# Altium PCB Mother_and_Asserv.PcbDoc (part 1 of 2)
Units mil, origin at the board's own origin, x right, y up, seen from the top; angles counter-clockwise.
Board outline 7572 x 3149 mil, 2 copper layers (Top Layer, Bottom Layer); 179 components, 0 nets, 687 pads, 93 vias.
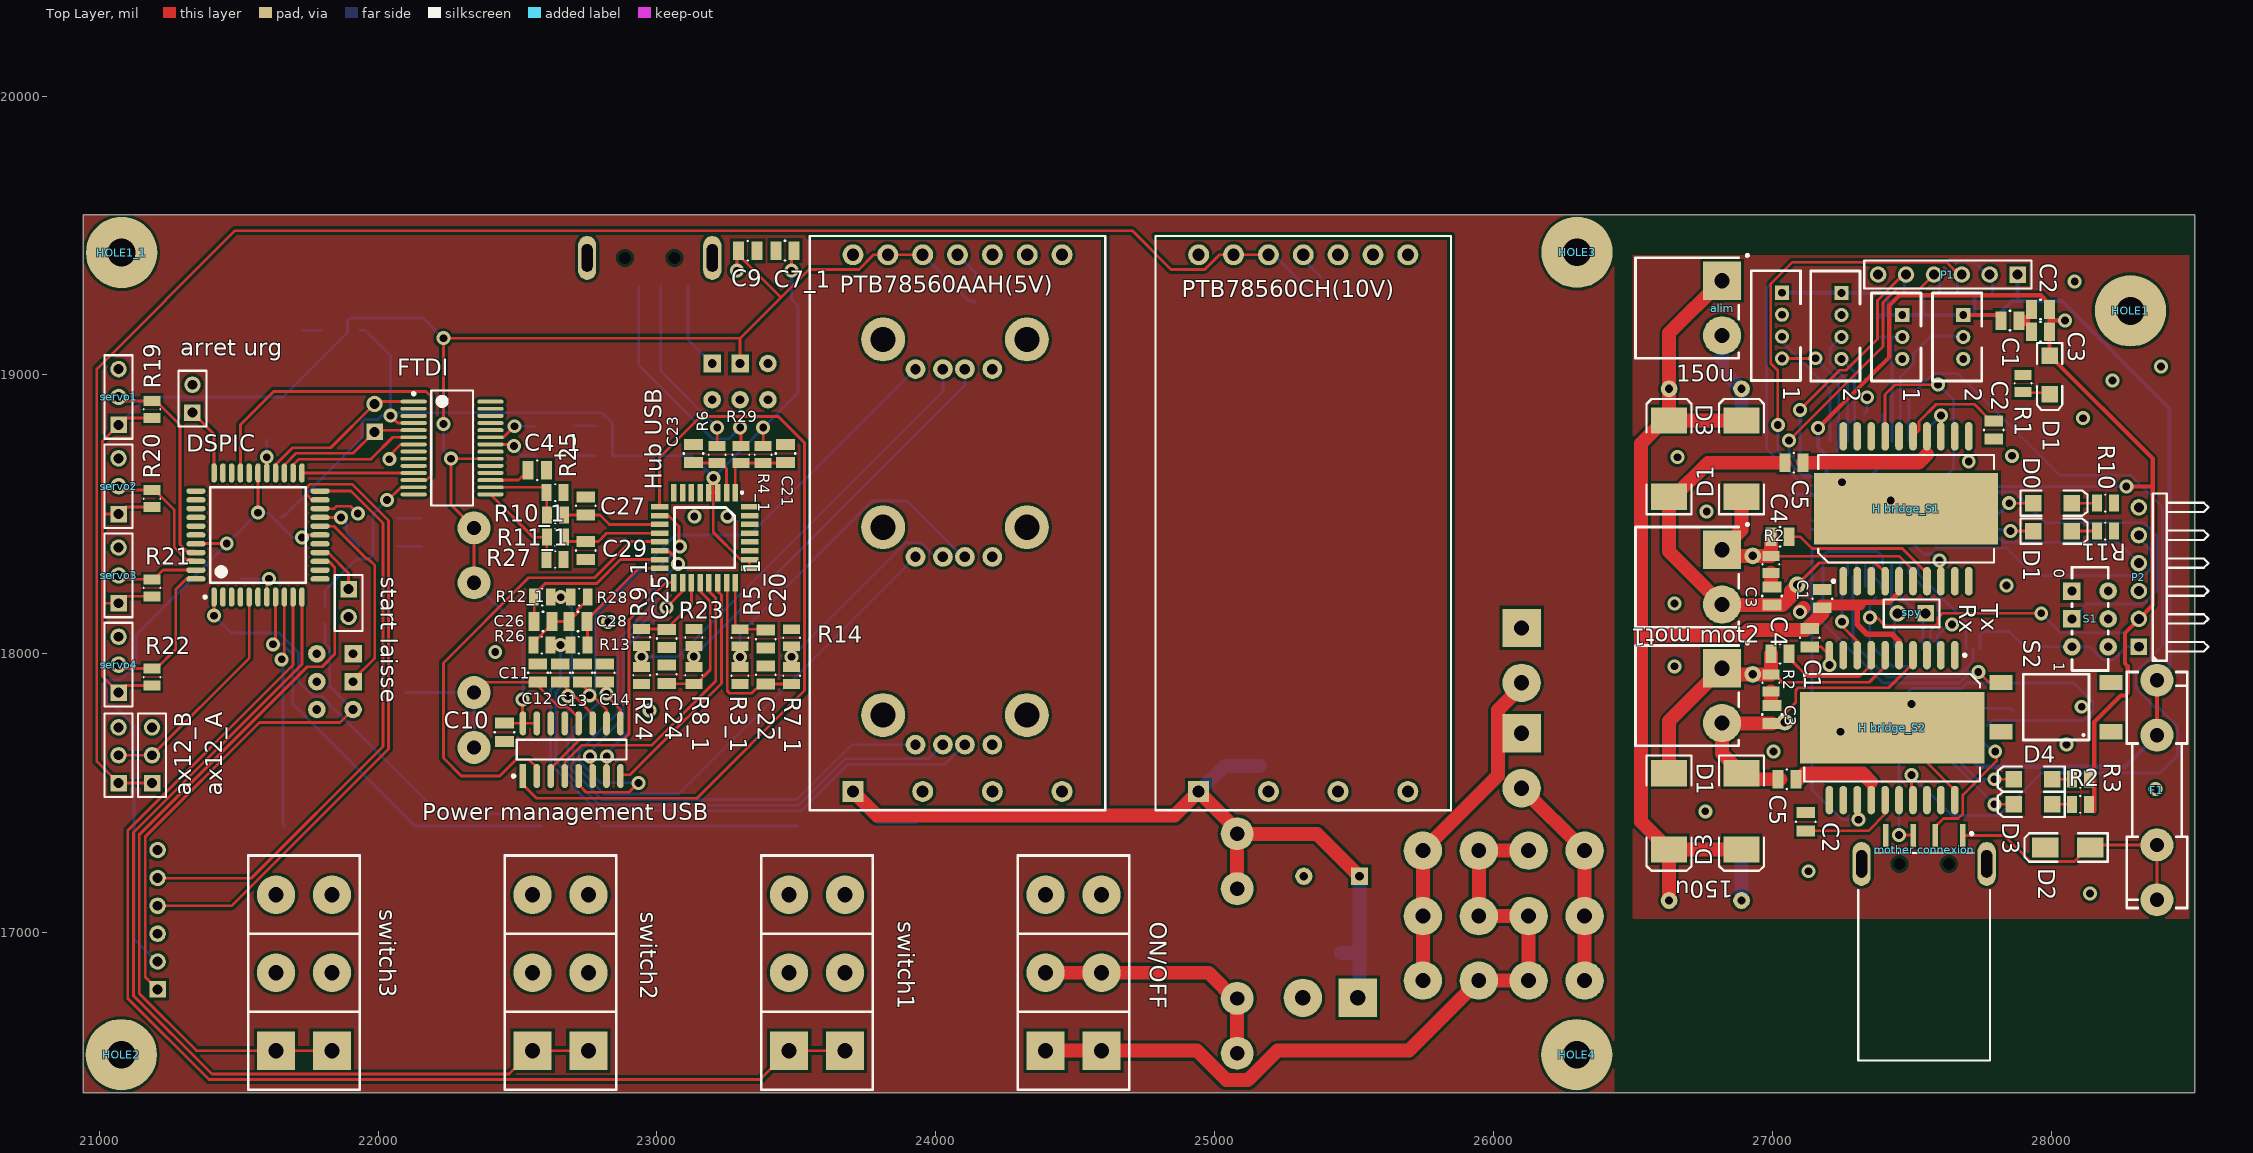
[diagram p0: Top Layer view]
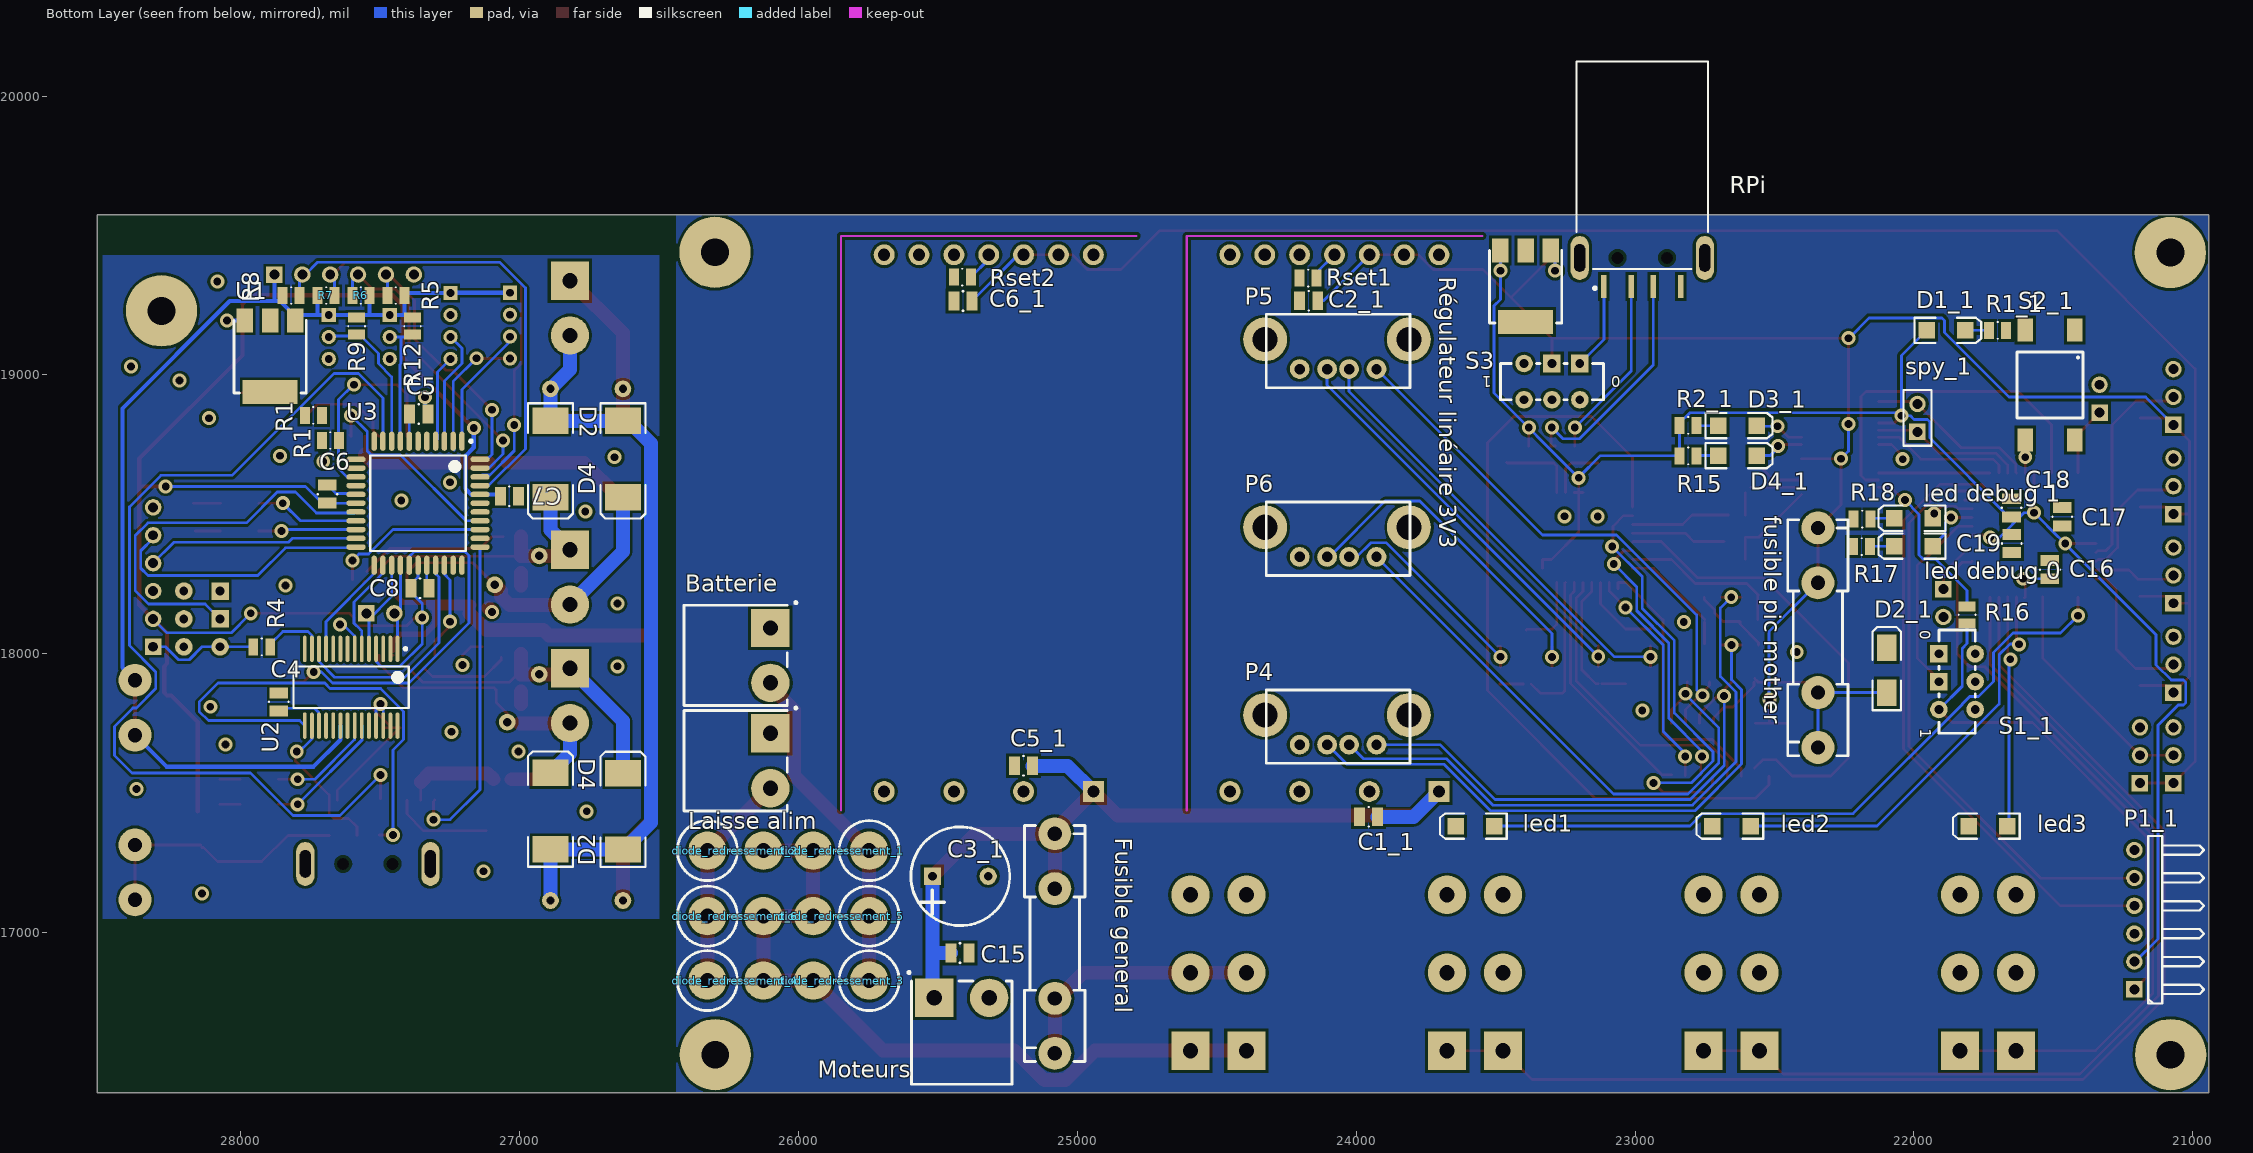
[diagram p1: Bottom Layer view, seen from below]

## Layer stack, top to bottom
Top Layer: signal copper 1.4
Dielectric: dielectric 12.6, FR-4, Dk 4.8
Bottom Layer: signal copper 1.4

## Board outline
20943,16426 28515,16426 28515,19575 20943,19575

## Design rules (kind name [scope] priority, off if disabled: settings)
Clearance [All] p1: gap=10
Height [All] p1: minheight=0 maxheight=10000 prefheight=500
PolygonConnect [All] p1: connectstyle=Relief reliefconductorwidth=10 reliefentries=4 polygonreliefangle="90 Angle"
RoutingVias [All] p1: holewidth=28 width=50 viastyle="Through Hole" minholewidth=28 minwidth=50 maxholewidth=28 maxwidth=50
ShortCircuit [All] p1: allowed=TRUE
SilkToSilkClearance [All] p1: silktosilkclearance=0
SilkscreenOverComponentPads [All] p1: minsilkscreentomaskgap=0
SolderMaskExpansion [All] p1: expansion=4
Width [All] p1: maxlimit=100 minlimit=10 preferedwidth=10
24 further rules are at their usual default settings.

## Components (designator, comment, footprint, x,y, rotation, side; value= is the part's Value field where it differs from the comment)
1 "JST" B4B-PH-K-S 27035,19295 r270 top (schematic designator Encodeur1)
1 "JST" B3B-PH-K-S 27466.67,19215 r270 top (schematic designator servo1)
2 "JST" B4B-PH-K-S 27248.33,19293.74 r270 top (schematic designator Encodeur2)
2 "JST" B3B-PH-K-S 27685,19215 r270 top (schematic designator servo2)
alim "Bornier" "Bornier male coude 2 voies" 26820,19240 r270 top (schematic designator "alim motors")
"arret urg" "Header 2" HDR1X2 21334,18865 r90 top
ax12_A "Header 3" HDR1X3 21069,17536 r90 top
ax12_B "Header 3" HDR1X3 21189,17536 r90 top
Batterie "Bornier" "Bornier male coude 2 voies" 26101,17994 r270 bottom
C1 "CAP" C0805C 27180,18230 r270 top
C1 "CAP" C0805C 27135,18025 r90 top
C1 "" C0805C 27820,19195 r0 top
C1_1 "CAP" C0805C 23988,17415 r180 bottom (schematic designator C1)
C2 "CAP" C0805C 27795,18770 r90 top
C2 "CAP" C0805C 27120,17430 r270 top
C2 "" C0805C 27995,19235 r180 top
C2_1 "CAP" C0805C 24138,19266 r0 bottom (schematic designator C2)
C3 "CAP" C0805C 26999.43,18240 r270 top
C3 "CAP" C0805C 26999.43,17815 r270 top
C3 "" C0805C 27995,19155 r180 top
C3_1 "CAP POL" RB.2/.4 25520,17202 r0 bottom (schematic designator C3)
C4 "CAP" C0805C 27060,18420 r180 top
C4 "CAP" C0805C 27060,18000 r180 top
C4 "" C0805C 27865,17860 r270 bottom
C4_1 "CAP" C0805C 22538,18658 r0 top (schematic designator C4)
C5 "CAP" C0805C 27110,18685 r180 top
C5 "CAP" C0805C 27085,17550 r180 top
C5 "" C0805C 27395,18860 r180 bottom
C5_1 "CAP" C0805C 25226,17598 r180 bottom (schematic designator C5)
C6 "" C0805C 27690,18540 r90 bottom
C6_1 "CAP" C0805C 25378,19265 r0 bottom (schematic designator C6)
C7 "" C0805C 27070,18565 r180 bottom
C7_1 "CAP" C0805C 23427,19446 r0 top (schematic designator C7)
C8 "" C0805C 27390,18235 r180 bottom
C9 "CAP" C0805C 23293,19445 r0 top
C10 "CAP" C0805C 22453,17751 r270 top
C11 "CAP" C0805C 22573,17964 r270 top
C12 "CAP" C0805C 22653,17964 r270 top
C13 "CAP" C0805C 22733,17964 r270 top
C14 "CAP" C0805C 22813,17964 r270 top
C15 "CAP" C0805C 25389,16927 r0 bottom
C16 "CAP" C0805C 21512,18334 r270 bottom
C17 "CAP" C0805C 21468,18524 r270 bottom
C18 "CAP" C0805C 21650,18556 r270 bottom
C19 "CAP" C0805C 21649,18363 r90 bottom
C20 "CAP" C0805C 23390.03,18084.96 r270 top
C21 "CAP" C0805C 23461,18685.87 r90 top
C22 "CAP" C0805C 23390.03,17891.97 r90 top
C23 "CAP" C0805C 23131,18685.87 r90 top
C24 "CAP" C0805C 23035.43,17959.02 r270 top
C25 "CAP" C0805C 23035.43,18022.09 r90 top
C26 "CAP" C0805C 22624,18116 r180 top
C27 "CAP" C0805C 22745,18498 r90 top
C28 "CAP" C0805C 22684,18116 r0 top
C29 "CAP" C0805C 22745,18338 r90 top
D0 "LED" LED1206R 28005,18540 r0 top (schematic designator "led debug 0")
D1 "Diode" DSO-C2/X3.3 26890,18700 r90 top
D1 "Diode" DSO-C2/X3.3 26630,17435 r270 top
D1 "LED2" LED1206G 27995,19000 r270 top
D1 "LED" LED1206R 28005,18440 r0 top (schematic designator "led debug 1")
D1_1 "LED2" LED1206G 21884,19160 r180 bottom (schematic designator D1)
D2 "ZENER/5.6V" DSO-C2/X1.8 28060,17305 r180 top
D2 "Diode" DSO-C2/X3.3 26630,17435 r90 bottom
D2 "Diode" DSO-C2/X3.3 26890,18698.78 r270 bottom
D2_1 "5.6V" DSO-C2/X1.8 22097,17941 r90 bottom (schematic designator D2)
D3 "LED2" LED1206Y 27935,17460 r180 top
D3 "Diode" DSO-C2/X3.3 26890,17435 r270 top
D3 "Diode" DSO-C2/X3.3 26630,18700 r90 top
D3_1 "LED" LED1206Y 22633,18818 r180 bottom (schematic designator D3)
D4 "LED2" LED1206Y 27935,17550 r180 top
D4 "Diode" DSO-C2/X3.3 26890,17436.22 r90 bottom
D4 "Diode" DSO-C2/X3.3 26630,18698.78 r270 bottom
D4_1 "LED" LED1206Y 22633,18711 r180 bottom (schematic designator D4)
diode_redressement_1 "Diode" "Axial1.3 Vert" 25747,17294 r0 bottom
diode_redressement_2 "Diode" "Axial1.3 Vert" 26327,17294 r180 bottom
diode_redressement_3 "Diode" "Axial1.3 Vert" 25747,16828 r0 bottom
diode_redressement_4 "Diode" "Axial1.3 Vert" 26327,16828 r180 bottom
diode_redressement_5 "Diode" "Axial1.3 Vert" 25747,17059 r0 bottom
diode_redressement_6 "Diode" "Axial1.3 Vert" 26327,17059 r180 bottom
DSPIC "DSPIC33FJ64MC804-I/PT" TQFP-PT44_N 21569,18426 r90 top
F1 "200mA" "Fuse Holder 5x20mm" 28380,17905 r270 top
FTDI "FT232RL" SSOP-28_M 22265,18738 r0 top
"Fusible general" "Fuse" "Fuse Holder 5x20mm" 25081,16567 r90 bottom
"fusible pic mother" "Fuse" "Fuse Holder 5x20mm" 22344,17664 r90 bottom
"H bridge_S1" "L6201P" PowerSO20_M 27480,18520 r90 top (schematic designator "H bridge")
"H bridge_S2" "L6201P" PowerSO20_M 27430,17735 r270 top (schematic designator "H bridge")
HOLE1 "Hole" SCREW 28285,19230 r0 top
HOLE1_1 "Hole" SCREW 21080,19439 r0 top (schematic designator HOLE1)
HOLE2 "Hole" SCREW 21079,16562 r0 top
HOLE3 "Hole" SCREW 26300,19440 r90 top
HOLE4 "Hole" SCREW 26299,16562 r180 top
"Hub USB" "TUSB2046BVF" TUSB2046BVF 23281,18578 r270 top
"Laisse alim" "Bornier" "Bornier male coude 2 voies" 26101,17616 r270 bottom
led1 "LED" LED1206G 23574,17382 r0 bottom
led2 "LED" LED1206G 22654,17382 r0 bottom
led3 "LED" LED1206G 21734,17382 r0 bottom
"led debug 0" "LED" LED1206R 22001,18386 r0 bottom
"led debug 1" "LED" LED1206R 22001,18486 r0 bottom
mot1 "Bornier" "Bornier male coude 2 voies" 26820,18275 r270 top (schematic designator motors)
mot2 "Bornier" "Bornier male coude 2 voies" 26820,17850 r270 top (schematic designator motors)
Moteurs "Bornier" "Bornier male coude 2 voies" 25415,16766 r180 bottom
"mother connexion" "USB male" "USB SM2.5 Male" 27545,17140 r270 top
ON/OFF "Switch slide 2 pos" "Switch sur cosses 5.08mm" 24494,16856 r0 top
P1 "Header 6" HDR1X6 27880,19360 r180 top
P1_1 "PICkit" HDR1X6H 21209,16796 r90 bottom (schematic designator P1)
P2 "PICkit" HDR1X6H 28315,18025 r90 top
P4 "USB" "USB SM female vertical" 24065,17674 r0 bottom
P5 "USB" "USB SM female vertical" 24065,19021 r0 bottom
P6 "USB" "USB SM female vertical" 24065,18347.5 r0 bottom
"Power management USB" "TPS2044" TPS2044 22694,17656 r90 top
PTB78560AAH(5V) "PTB78560x" PTB78560x 23703,17506 r90 top
PTB78560CH(10V) "PTB78560x" PTB78560x 24943,17506 r90 top
R1 "RES" C0805R 27710,18765 r180 bottom
R1 "RES" C0805R 27710,18855 r0 bottom
R1 "" C0805R 27900,19000 r270 top
R1_1 "RES" C0805R 21669,19160 r0 bottom (schematic designator R1)
R2 "RES" C0805R 26995,18290 r90 top
R2 "RES" C0805R 26995,17865 r90 top
R2 "" C0805R 28075,17460 r0 top
R2_1 "RES" C0805R 22779,18819 r0 bottom (schematic designator R2)
R3 "" C0805R 28075,17550 r0 top
R3_1 "RES" C0805R 23297.43,17891.07 r90 top (schematic designator R3)
R4 "" C0805R 27895,18025 r0 bottom
R4_1 "RES" C0805R 23381,18683.91 r90 top (schematic designator R4)
R5 "" C0805R 27475,19285 r180 bottom
R5_1 "RES" C0805R 23297.43,18088 r270 top (schematic designator R5)
R6 "RES" C0805R 23216,18744.93 r270 top
R6 "" C0805R 27600.34,19285 r180 bottom
R7 "" C0805R 27664.66,19285 r0 bottom
R7_1 "RES" C0805R 23483,17891 r90 top (schematic designator R7)
R8 "" C0805R 27790,19285 r0 bottom
R8_1 "RES" C0805R 23132,17892.09 r90 top (schematic designator R8)
R9 "" C0805R 27585,19145 r90 bottom
R9_1 "RES" C0805R 22945,18089.02 r270 top (schematic designator R9)
R10 "" C0805R 28165,18540 r0 top
R10_1 "RES" C0805R 22605,18498 r0 top (schematic designator R10)
R11 "" C0805R 28165,18440 r0 top
R11_1 "RES" C0805R 22605,18418 r0 top (schematic designator R11)
R12 "" C0805R 27385,19145 r90 bottom
R12_1 "RES" C0805R 22619.09,18203 r180 top (schematic designator R12)
R13 "RES" C0805R 22689.91,18031 r0 top
R14 "RES" C0805R 23483,18087.93 r270 top
R15 "RES" C0805R 22779,18710 r0 bottom
R16 "RES" C0805R 21809,18170 r270 bottom
R17 "RES" C0805R 22157,18384 r0 bottom
R18 "RES" C0805R 22155,18483 r0 bottom
R19 "RES" C0805R 21189,18846 r90 top
R20 "RES" C0805R 21189,18526 r90 top
R21 "RES" C0805R 21189,18206 r90 top
R22 "RES" C0805R 21189,17886 r90 top
R23 "RES" C0805R 23132,18028 r90 top
R24 "RES" C0805R 22945,17953.12 r270 top
R25 "RES" C0805R 22665,18578 r180 top
R26 "RES" C0805R 22557.07,18031 r0 top
R27 "RES" C0805R 22665,18338 r180 top
R28 "RES" C0805R 22751.93,18203 r180 top
R29 "RES" C0805R 23301,18744.93 r270 top
RPi "USB" "USB SM2.5 Male" 22974,19526 r90 bottom
Rset1 "RES" C0805R 24203,19347 r180 bottom
Rset2 "RES" C0805R 25443,19351 r180 bottom
"Régulateur linéaire 3V3" "LM2937IMP-3.3" SOT223 23301.9,19446 r0 bottom
S1 "SW-DPDT/Reset" MCLSS22 28075,18125 r270 top
S1_1 "SW-DPDT/Reset" MCLSS22 21910,17900 r270 bottom (schematic designator S1)
S2 "SPST-NO/RC2" SPST-NO 28215,17720 r90 top
S2_1 "SPST-NO" SPST-NO 21423,19161 r0 bottom (schematic designator S2)
S3 "SW-DPDT/Reset" MCLSS22 23298,19041 r0 bottom
servo1 "Header 3" HDR1X3 21069,18821 r90 top
servo2 "Header 3" HDR1X3 21069,18501 r90 top
servo3 "Header 3" HDR1X3 21069,18181 r90 top
servo4 "Header 3" HDR1X3 21069,17861 r90 top
spy "Header 2" HDR1X2 27550,18145 r180 top
spy_1 "Header 2" HDR1X2 21987,18796 r90 bottom (schematic designator spy)
"start laisse" "Header 2" HDR1X2 21894,18232 r270 top
switch1 "Switch slide 2 pos" "Switch sur cosses 5.08mm" 23574,16856 r0 top
switch2 "Switch slide 2 pos" "Switch sur cosses 5.08mm" 22654,16856 r0 top
switch3 "Switch slide 2 pos" "Switch sur cosses 5.08mm" 21734,16856 r0 top
U1 "LM2937IMP-3.3" SOT223 27805,19195 r0 bottom
U2 "FT232RL" SSOP-28_M 27605,17880 r270 bottom
U3 "DSPIC33FJ64MC804-I/PT" TQFP-PT44_N 27365,18540 r270 bottom

## Footprints (in the part's own frame and the unit in brackets; to place one, negate y for a bottom-side part, rotate by r counter-clockwise, add the part's x,y. Pads: shape width x height; smd on the part's side, far side on the other; paste and mask are expansions set on the pad)
"Axial1.3 Vert" [mm] "Vertical Axial Lead ; Diode : DO-201AD ; 5mm radius, 1.25mm leads"
  round 3.5 hole 1.35: 1(0,0) 2(5.1,0)
  silkscreen extent -2.74,-2.74 3.05,2.74, body extent -2.8,-2.8 5.74,2.8, height 15.69
B3B-PH-K-S [mm] "JST Header 3 pins Straight"
  rect 1.3x1.3 hole 0.7: 1(0,0)
  round 1.3 hole 0.7: 2(2,0) 3(4,0)
  silkscreen extent -2,-2.8 6,1.7, body extent -1.95,-2.8 5.95,1.7, height 6
B4B-PH-K-S [mm] "JST Header 4 pins Straight"
  rect 1.3x1.3 hole 0.7: 1(0,0)
  round 1.3 hole 0.7: 2(2,0) 3(4,0) 4(6,0)
  silkscreen extent -2,-2.8 8,1.7, body extent -1.95,-2.8 7.95,1.7, height 6
"Bornier male coude 2 voies" [mm] "Bornier male coude 2 voies 12A. Pas 5mm (model : CTB9350/2A) -- 3D FAUSSE"
  rect 3.5x3.5 hole 1.4: 1(-2.5,0)
  round 3.5 hole 1.4: 2(2.5,0)
  silkscreen extent -4.9,-7.87 4.57,2.41, body extent -4.2,-7.93 4.2,1.27, height 7.25
C0805C [mm]
  rect 1x1.7 smd: 1(0,0) 2(1.65,0)
  silkscreen extent 0.8,-0.89 0.85,0.89, body extent -0.21,-0.61 1.79,0.64, height 0.78
C0805R [mm]
  rect 0.9x1.55 smd: 1(0,0) 2(1.55,0)
  silkscreen extent 0.73,-0.76 0.81,0.76, body extent -0.24,-0.62 1.76,0.63, height 0.78
DSO-C2/X1.8 [mm] "Diode; DO-214-AC/SMA; 2 C-Bend Leads; Body 5 x 2.7 mm, inc. leads (LxW)"
  rect 2.4x1.8 smd: A(2.05,0) K(-2.05,0)
  silkscreen extent -3.65,-1.3 3.95,1.3, body extent -2.74,-1.4 2.74,1.4, height 2.28
DSO-C2/X3.3 [mm] "DO-214-AB/SMC; 2 C-Bend Leads; Body 7.9 x 5.9 mm, inc. leads (LxW)"
  rect 2.4x3.3 smd: A(-3.475,0) K(3.475,0)
  silkscreen extent -5.07,-2.05 5.43,2.05, body extent -4.06,-3.15 4.06,3.15, height 2.67
"Fuse Holder 5x20mm" [mm] "Schurter Fuse Holder 0751.0110"
  round 3 hole 1.3: 1(0,0) 1(5,0) 2(15,0) 2(20,0)
  silkscreen extent -0.75,-2.75 20.75,2.75, body extent -0.51,-3.1 20.58,3.1, height 9.86
HDR1X2 [mm] "Connector; Header; 2 Position"
  rect 1.5x1.5 hole 0.9: 1(0,0)
  round 1.5 hole 0.9: 2(2.54,0)
  silkscreen extent -1.27,-1.27 3.81,1.27
HDR1X3 [mm] "Connector; Header; 3 Position"
  rect 1.5x1.5 hole 0.9: 1(0,0)
  round 1.5 hole 0.9: 2(2.54,0) 3(5.08,0)
  silkscreen extent -1.27,-1.27 6.35,1.27
HDR1X6 [mm] "Connector; Header; 6 Position"
  rect 1.5x1.5 hole 0.9: 1(0,0)
  round 1.5 hole 0.9: 2(2.54,0) 3(5.08,0) 4(7.62,0) 5(10.16,0) 6(12.7,0)
  silkscreen extent -1.27,-1.27 13.97,1.27
HDR1X6H [mm] "Connector; Header; 6 Position; Right Angle"
  rect 1.5x1.5 hole 0.9: 1(0,0)
  round 1.5 hole 0.9: 2(2.54,0) 3(5.08,0) 4(7.62,0) 5(10.16,0) 6(12.7,0)
  silkscreen extent -1.27,-6.35 13.97,-1.27, body extent -1.17,-5.85 13.87,1.25, height 5.42
LED1206G [mm] "SMT LED; 2 Flat Leads; 3.2X1.6X1.1"
  rect 1.5x1.5 smd: 1(-1.75,0) 2(1.75,0)
  silkscreen extent -2.9,-1.15 3.2,1.15, body extent -1.6,-0.8 1.6,0.8, height 1.11
LED1206R [mm] "SMT LED; 2 Flat Leads; 3.2X1.6X1.1"
  rect 1.5x1.5 smd: 1(-1.75,0) 2(1.75,0)
  silkscreen extent -2.9,-1.15 3.2,1.15, body extent -1.6,-0.8 1.6,0.8, height 1.11
LED1206Y [mm] "SMT LED; 2 Flat Leads; 3.2X1.6X1.1"
  rect 1.5x1.5 smd: 1(-1.75,0) 2(1.75,0)
  silkscreen extent -2.9,-1.15 3.2,1.15, body extent -1.6,-0.8 1.6,0.8, height 1.11
MCLSS22 [mm] "Slide Switch DPDT"
  rect 1.6x1.6 hole 0.8: 1(0,0) 2(-2.54,0)
  round 1.6 hole 0.8: 3(2.54,0) 4(0,3.3) 5(-2.54,3.3) 6(2.54,3.3)
  silkscreen extent -4.7,0 4.7,3.3, body extent -4.7,-2 4.7,3.3, height 3.5
PowerSO20_M [mm] "SOP, 20-Leads, Body 15.9x11mm, Pitch 1.27mm, IPC Low Density"
  oval 2.6x0.7 smd: 1(-6.6,5.715) 2(-6.6,4.445) 3(-6.6,3.175) 4(-6.6,1.905) 5(-6.6,0.635) 6(-6.6,-0.635) 7(-6.6,-1.905) 8(-6.6,-3.175) 9(-6.6,-4.445) 10(-6.6,-5.715) 11(6.6,-5.715) 12(6.6,-4.445) 13(6.6,-3.175) 14(6.6,-1.905) 15(6.6,-0.635) 16(6.6,0.635) 17(6.6,1.905) 18(6.6,3.175) 19(6.6,4.445) 20(6.6,5.715)
  rect 6.5x16.8 smd: 21(0,0)
  silkscreen extent -6.72,-8 4.9,8, body extent -7.2,-8 7.2,8, height 3.6
PTB78560x [mm] "PTB78560x Texas Instruments Regulator"
  rect 1.905x1.905 hole 1.1: 1(0,0)
  round 1.905 hole 1.1: 2(0,-6.35) 3(0,-12.7) 4(0,-19.05) 5(48.895,-19.05) 6(48.895,-15.875) 7(48.895,-12.7) 8(48.895,-9.525) 9(48.895,-6.35) 10(48.895,-3.175) 11(48.895,0)
  Keep-Out Layer lines w0.2: 50.609,3.937 50.609,-22.987 -1.714,-22.987
  silkscreen extent -1.71,-22.99 50.61,3.94, body extent -1.71,-22.99 50.61,3.94, height 10
RB.2/.4 [mil]
  rect 62x62 hole 31.5: 1(0,0)
  round 62 hole 31.5: 2(-200,0)
  silkscreen extent -277,-177 77,177, body extent -298,-194 95,200, height 650
SCREW [mm] "Mounting Hole M3"
  round 6.5 hole 2.54: 1(0,0)
  body extent -2.89,-2.52 2.89,2.52, height 10
SOT223 [mm]
  rect 1.5x2.2 smd: 1(0,0) 2(2.3,0) 3(4.6,0)
  rect 5x2.2 smd: ""(2.3,6.5)
  silkscreen extent -1,0 5.6,6.6, body extent -0.95,-0.2 5.55,6.8, height 1.64
SPST-NO [mm] "Tactile Switch SPST-NO 6x6mm"
  rect 1.4x2.1 smd: 1(0,0) 2(4.5,0) 3(4.5,10) 4(0,10)
  silkscreen extent -0.75,2 5.25,8, body extent -0.75,0.93 5.25,9.08, height 5
SSOP-28_M [mm] "SOP, 28-Leads, Body 10.2x5.3mm, Pitch 0.65mm, IPC Low Density"
  oval 2.4x0.35 smd: 1(-3.5,4.225) 2(-3.5,3.575) 3(-3.5,2.925) 4(-3.5,2.275) 5(-3.5,1.625) 6(-3.5,0.975) 7(-3.5,0.325) 8(-3.5,-0.325) 9(-3.5,-0.975) 10(-3.5,-1.625) 11(-3.5,-2.275) 12(-3.5,-2.925) 13(-3.5,-3.575) 14(-3.5,-4.225) 15(3.5,-4.225) 16(3.5,-3.575) 17(3.5,-2.925) 18(3.5,-2.275) 19(3.5,-1.625) 20(3.5,-0.975) 21(3.5,-0.325) 22(3.5,0.325) 23(3.5,0.975) 24(3.5,1.625) 25(3.5,2.275) 26(3.5,2.925) 27(3.5,3.575) 28(3.5,4.225)
  silkscreen extent -3.62,-5.25 1.9,5.25, body extent -3.91,-5.1 3.91,5.1, height 1.98
"Switch sur cosses 5.08mm" [mm] "Crimp Faston CI 5.08mm model : AMP - 1217080-1"
  rect 3.5x3.5 hole 1.4: 1(-2.55,-7.1) 1(2.55,-7.1)
  round 3.5 hole 1.4: 2(-2.55,7.1) 2(2.55,7.1) 3(-2.55,0) 3(2.55,0)
  silkscreen extent -5.08,-10.67 5.08,10.67, body extent -11.5,-11 11.5,12, height 29.34
TPS2044 [mm] "Power distribution USB"
  rect 2.2x0.6 smd: 1(-2.4,4.445)
  oval 2.2x0.6 smd: 2(-2.4,3.175) 3(-2.4,1.905) 4(-2.4,0.635) 5(-2.4,-0.635) 6(-2.4,-1.905) 7(-2.4,-3.175) 8(-2.4,-4.445) 9(2.4,-4.445) 10(2.4,-3.175) 11(2.4,-1.905) 12(2.4,-0.635) 13(2.4,0.635) 14(2.4,1.905) 15(2.4,3.175) 16(2.4,4.445)
  silkscreen extent -2.52,-5 0.9,5.42, body extent -3,-5.1 3,5.1, height 1.7
TQFP-PT44_N [mm] "Thin QFP, 44-Leads, Body 10x10mm, Pitch 0.8mm, IPC Medium Density"
  oval 1.75x0.5 smd: 1(-5.65,4) 2(-5.65,3.2) 3(-5.65,2.4) 4(-5.65,1.6) 5(-5.65,0.8) 6(-5.65,0) 7(-5.65,-0.8) 8(-5.65,-1.6) 9(-5.65,-2.4) 10(-5.65,-3.2) 11(-5.65,-4) 23(5.65,-4) 24(5.65,-3.2) 25(5.65,-2.4) 26(5.65,-1.6) 27(5.65,-0.8) 28(5.65,0) 29(5.65,0.8) 30(5.65,1.6) 31(5.65,2.4) 32(5.65,3.2) 33(5.65,4)
  oval 0.5x1.75 smd: 12(-4,-5.65) 13(-3.2,-5.65) 14(-2.4,-5.65) 15(-1.6,-5.65) 16(-0.8,-5.65) 17(0,-5.65) 18(0.8,-5.65) 19(1.6,-5.65) 20(2.4,-5.65) 21(3.2,-5.65) 22(4,-5.65) 34(4,5.65) 35(3.2,5.65) 36(2.4,5.65) 37(1.6,5.65) 38(0.8,5.65) 39(0,5.65) 40(-0.8,5.65) 41(-1.6,5.65) 42(-2.4,5.65) 43(-3.2,5.65) 44(-4,5.65)
  silkscreen extent -5.77,-4.35 4.35,4.95, body extent -6,-6 6,6, height 1.05
TUSB2046BVF [mil] "TI 4-Port USB Hub"
  rect 63x19.7 smd: 1(0,0) 2(0,-31.5) 3(0,-63) 4(0,-94.5) 5(0,-125.9) 6(0,-157.4) 7(0,-188.9) 8(0,-220.4) 17(322.8,-220.4) 18(322.8,-188.9) 19(322.8,-157.4) 20(322.8,-125.9) 21(322.8,-94.5) 22(322.8,-63) 23(322.8,-31.5) 24(322.8,0)
  rect 19.7x63 smd: 9(51.2,-271.6) 10(82.7,-271.6) 11(114.2,-271.6) 12(145.7,-271.6) 13(177.1,-271.6) 14(208.6,-271.6) 15(240.1,-271.6) 16(271.6,-271.6) 25(271.6,51.2) 26(240.1,51.2) 27(208.6,51.2) 28(177.1,51.2) 29(145.7,51.2) 30(114.2,51.2) 31(82.7,51.2) 32(51.2,51.2)
  silkscreen extent -4,-218 270,28, body extent -16,-287 339,67, height 59
"USB SM2.5 Male" [mm] "USB/SM2.5-4H4; Male USB Connector; USB1.1, Type A, SM; 4 Position; Right Angle"
  rect 2.1x0.5 smd: 1(-5.3,3.5) 2(-5.3,1) 3(-5.3,-1) 4(-5.3,-3.5)
  oval 4x1.65 hole 1 slot 2.5 at 0 deg: 5(-2.7,-5.7) 6(-2.7,5.7)
  round 0.8 hole 1.1 unplated: MH1(-2.7,-2.25) MH2(-2.7,2.25)
  silkscreen extent -5.58,-6 15.2,6, body extent -3.5,-6 14.83,6, height 4.5
"USB SM female vertical" [mm] "USB SM female vertical"
  round 1.8 hole 0.95: 1(-3.5,0) 2(-1,0) 3(1,0) 4(3.5,0)
  round 4 hole 2.3: 5(6.65,-2.7) 6(-6.45,-2.7)
  silkscreen extent -6.55,-4.99 6.55,1.7, body extent -7.99,-4.99 7.99,2.65, height 13.75

## Part data
1 2: library part "Header 4", "Header, 4-Pin"
1 2: library part "Header 3", "Header, 3-Pin"
alim Batterie "Laisse alim" mot1 mot2 Moteurs: library part "Header 2", "Header, 2-Pin"
"arret urg" spy spy_1 "start laisse": "Header, 2-Pin"
ax12_A ax12_B servo1 servo2 servo3 servo4: "Header, 3-Pin"
C1 C1 C1_1 C2 C2 C2_1 C3 C3 C4 C4 C4_1 C5 C5 C5_1 C6_1 C7_1 C9 C10 C11 C12 C13 C14 C15 C16 C17 C18 C19 C20 C21 C22 C23 C24 C25 C26 C27 C28 C29: "Capacitor"
C1 C2 C3 C4 C5 C6 C7 C8: library part "Cap Semi", "Capacitor (Semiconductor SIM Model)"
C3_1: "Polarized Capacitor"
D0 D1 D3_1 D4_1 "led debug 0" "led debug 1": library part LED2, "Typical RED, GREEN, YELLOW, AMBER GaAs LED"
D1 D1 D2 D2 D3 D3 D4 D4 diode_redressement_1 diode_redressement_2 diode_redressement_3 diode_redressement_4 diode_redressement_5 diode_redressement_6: "Default Diode"
D1 D1_1 D3 D4 led1 led2 led3: "Typical RED, GREEN, YELLOW, AMBER GaAs LED"
D2: library part ZENER, "ZENER"
D2_1: library part ZENER, "Zener Diode"
DSPIC U3: "High-Performance 16-bit Digital Signal Controller, 64 KB Flash, 16 KB RAM, 44-Pin TQFP, Industrial Temperature"
F1: library part FUSE1
FTDI U2: "USB UART Asynchronous Serial Data Transfer Chip, SSOP-28, Tube"
"Fusible general" "fusible pic mother": library part FUSE
"H bridge_S1" "H bridge_S2": "DMOS Full Bridge Driver"
HOLE1 HOLE1_1 HOLE2 HOLE3 HOLE4: "Mounting Hole for screws"
"Hub USB": "TI 4-Port USB Hub"
"mother connexion" P4 P5 P6 RPi: library part "USB Con", "USB Connector"
ON/OFF switch1 switch2 switch3: library part "Switch slide On/Off", "Switch slide 2 positions"
P1: "Header, 6-Pin"
P1_1 P2: library part "Header ICSP", "Header, 6-Pin, Right Angle"
"Power management USB": "Power distribution USB"
PTB78560AAH(5V) PTB78560CH(10V): "Texas Instruments Regulators"
R1 R1 R1_1 R2 R2 R2_1 R3_1 R4_1 R5_1 R6 R7_1 R8_1 R9_1 R10_1 R11_1 R12_1 R13 R14 R15 R16 R17 R18 R19 R20 R21 R22 R23 R24 R25 R26 R27 R28 R29 Rset1 Rset2: "Resistor"
R1 R2 R3 R4 R5 R6 R7 R8 R9 R10 R11 R12: library part Res3, "Resistor"
"Régulateur linéaire 3V3" U1: "500 mA Low Dropout Regulator"
S1 S1_1 S3: library part SW-DPDT, "Double-Pole, Double-Throw Switch, ref MCLSS22"
S2: library part SPST-NO, "Tactile Switch 7.3mm, SMD"
S2_1: "Tactile Switch 7.3mm, SMD"

## Free pads (board coordinates)
  round 60 hole 30: 0(26890,18950) 1(26630,18950) 2(26630,17115) 4(26890,17115) 5(26930,18351.02) 7(26930,17926.02) 11(27090,18247.43) 12(27045,17755)

## Via types
v1: diameter 50, hole 28, Top Layer to Bottom Layer, 93 vias

## Nets (pads, with @x,y where several pads share a name; then routed paths per layer and width w, separated by ;. In a path a pad name is that pad's centre, name@x,y a point inside that pad or via, vN(x,y) a via of type N, cw(c..) or ccw(c..) an arc to the next point about the centre after c; other vN are vias at no path point)
pads on no net: 1.1 1.2 1.3 1.4 2.1 2.2 2.3 2.4 "arret urg.1" "arret urg.2" "Fusible general.1" "Fusible general.2" "fusible pic mother.1" "fusible pic mother.2" "H bridge_S1.1" "H bridge_S1.2" "H bridge_S1.3" "H bridge_S1.4" "H bridge_S1.5" "H bridge_S1.6" "H bridge_S1.7" "H bridge_S1.8" "H bridge_S1.9" "H bridge_S1.10" "H bridge_S1.11" "H bridge_S1.12" "H bridge_S1.13" "H bridge_S1.14" "H bridge_S1.15" "H bridge_S1.16" "H bridge_S1.17" "H bridge_S1.18" "H bridge_S1.19" "H bridge_S1.20" "H bridge_S1.21" "H bridge_S2.1" "H bridge_S2.2" "H bridge_S2.3" "H bridge_S2.4" "H bridge_S2.5" "H bridge_S2.6" "H bridge_S2.7" "H bridge_S2.8" "H bridge_S2.9" "H bridge_S2.10" "H bridge_S2.11" "H bridge_S2.12" "H bridge_S2.13" "H bridge_S2.14" "H bridge_S2.15" "H bridge_S2.16" "H bridge_S2.17" "H bridge_S2.18" "H bridge_S2.19" "H bridge_S2.20" "H bridge_S2.21" "Hub USB.1" "Hub USB.2" "Hub USB.3" "Hub USB.4" "Hub USB.5" "Hub USB.6" "Hub USB.7" "Hub USB.8" "Hub USB.9" "Hub USB.10" "Hub USB.11" "Hub USB.12" "Hub USB.13" "Hub USB.14" "Hub USB.15" "Hub USB.16" "Hub USB.17" "Hub USB.18" "Hub USB.19" "Hub USB.20" "Hub USB.21" "Hub USB.22" "Hub USB.23" "Hub USB.24" "Hub USB.25" "Hub USB.26" "Hub USB.27" "Hub USB.28" "Hub USB.29" "Hub USB.30" "Hub USB.31" "Hub USB.32" "Laisse alim.1" "Laisse alim.2" "led debug 0.1" "led debug 0.2" "led debug 1.1" "led debug 1.2" "mother connexion.1" "mother connexion.2" "mother connexion.3" "mother connexion.4" "mother connexion.5" "mother connexion.6" "mother connexion.MH1" "mother connexion.MH2" "Power management USB.1" "Power management USB.2" "Power management USB.3" "Power management USB.4" "Power management USB.5" "Power management USB.6" "Power management USB.7" "Power management USB.8" "Power management USB.9" "Power management USB.10" "Power management USB.11" "Power management USB.12" "Power management USB.13" "Power management USB.14" "Power management USB.15" "Power management USB.16" "Régulateur linéaire 3V3.1" "Régulateur linéaire 3V3.2" "Régulateur linéaire 3V3.3" "Régulateur linéaire 3V3." "start laisse.1" "start laisse.2" alim.1 alim.2 ax12_A.1 ax12_A.2 ax12_A.3 ax12_B.1 ax12_B.2 ax12_B.3 Batterie.1 Batterie.2 C1.1 C1.2 C1_1.1 C1_1.2 C2.1 C2.2 C2_1.1 C2_1.2 C3.1 C3.2 C3_1.1 C3_1.2 C4.1 C4.2 C4_1.1 C4_1.2 C5.1 C5.2 C5_1.1 C5_1.2 C6.1 C6.2 C6_1.1 C6_1.2 C7.1 C7.2 C7_1.1 C7_1.2 C8.1 C8.2 C9.1 C9.2 C10.1 C10.2 C11.1 C11.2 C12.1 C12.2 C13.1 C13.2 C14.1 C14.2 C15.1 C15.2 C16.1 C16.2 C17.1 C17.2 C18.1 C18.2 C19.1 C19.2 C20.1 C20.2 C21.1 C21.2 C22.1 C22.2 C23.1 C23.2 C24.1 C24.2 C25.1 C25.2 C26.1 C26.2 C27.1 C27.2 C28.1 C28.2 C29.1 C29.2 D0.1 D0.2 D1.1 D1.2 D1.A D1.K D1_1.1 D1_1.2 D2.A D2.K D2_1.A D2_1.K D3.1 D3.2 D3.A D3.K D3_1.1 D3_1.2 D4.1 D4.2 D4.A D4.K D4_1.1 D4_1.2 diode_redressement_1.1 diode_redressement_1.2 diode_redressement_2.1 diode_redressement_2.2 diode_redressement_3.1 diode_redressement_3.2 diode_redressement_4.1 diode_redressement_4.2 diode_redressement_5.1 diode_redressement_5.2 diode_redressement_6.1 diode_redressement_6.2 DSPIC.1 DSPIC.2 DSPIC.3 DSPIC.4 DSPIC.5 DSPIC.6 DSPIC.7 DSPIC.8 DSPIC.9 DSPIC.10 DSPIC.11 DSPIC.12 DSPIC.13 DSPIC.14 DSPIC.15 DSPIC.16 DSPIC.17 DSPIC.18 DSPIC.19 DSPIC.20 DSPIC.21 DSPIC.22 DSPIC.23 DSPIC.24 DSPIC.25 DSPIC.26 DSPIC.27 DSPIC.28 DSPIC.29 DSPIC.30 DSPIC.31 DSPIC.32 DSPIC.33 DSPIC.34 DSPIC.35 DSPIC.36 DSPIC.37 DSPIC.38 DSPIC.39 DSPIC.40 DSPIC.41 DSPIC.42 DSPIC.43 DSPIC.44 F1.1 F1.2 FTDI.1 FTDI.2 FTDI.3 FTDI.4 FTDI.5 FTDI.6 FTDI.7 FTDI.8 FTDI.9 FTDI.10 FTDI.11 FTDI.12 FTDI.13 FTDI.14 FTDI.15 FTDI.16 FTDI.17 FTDI.18 FTDI.19 FTDI.20 FTDI.21 FTDI.22 FTDI.23 FTDI.24 FTDI.25 FTDI.26 FTDI.27 FTDI.28 HOLE1.1 HOLE1_1.1 HOLE2.1 HOLE3.1 HOLE4.1 led1.1 led1.2 led2.1 led2.2 led3.1 led3.2 mot1.1 mot1.2 mot2.1 mot2.2 Moteurs.1 Moteurs.2 ON/OFF.1 ON/OFF.2 ON/OFF.3 P1.1 P1.2 P1.3 P1.4 P1.5 P1.6 P1_1.1 P1_1.2 P1_1.3 P1_1.4 P1_1.5 P1_1.6 P2.1 P2.2 P2.3 P2.4 P2.5 P2.6 P4.1 P4.2 P4.3 P4.4 P4.5 P4.6 P5.1 P5.2 P5.3 P5.4 P5.5 P5.6 P6.1 P6.2 P6.3 P6.4 P6.5 P6.6 PTB78560AAH(5V).1 PTB78560AAH(5V).2 PTB78560AAH(5V).3 PTB78560AAH(5V).4 PTB78560AAH(5V).5 PTB78560AAH(5V).6 PTB78560AAH(5V).7 PTB78560AAH(5V).8 PTB78560AAH(5V).9 PTB78560AAH(5V).10 PTB78560AAH(5V).11 PTB78560CH(10V).1 PTB78560CH(10V).2 PTB78560CH(10V).3 PTB78560CH(10V).4 PTB78560CH(10V).5 PTB78560CH(10V).6 PTB78560CH(10V).7 PTB78560CH(10V).8 PTB78560CH(10V).9 PTB78560CH(10V).10 PTB78560CH(10V).11 R1.1 R1.2 R1_1.1 R1_1.2 R2.1 R2.2 R2_1.1 R2_1.2 R3.1 R3.2 R3_1.1 R3_1.2 R4.1 R4.2 R4_1.1 R4_1.2 R5.1 R5.2 R5_1.1 R5_1.2 R6.1 R6.2 R7.1 R7.2 R7_1.1 R7_1.2 R8.1 R8.2 R8_1.1 R8_1.2 R9.1 R9.2 R9_1.1 R9_1.2 R10.1 R10.2 R10_1.1 R10_1.2 R11.1 R11.2 R11_1.1 R11_1.2 R12.1 R12.2 R12_1.1 R12_1.2 R13.1 R13.2 R14.1 R14.2 R15.1 R15.2 R16.1 R16.2 R17.1 R17.2 R18.1 R18.2 R19.1 R19.2 R20.1 R20.2 R21.1 R21.2 R22.1 R22.2 R23.1 R23.2 R24.1 R24.2 R25.1 R25.2 R26.1 R26.2 R27.1 R27.2 R28.1 R28.2 R29.1 R29.2 RPi.1 RPi.2 RPi.3 RPi.4 RPi.5 RPi.6 RPi.MH1 RPi.MH2 Rset1.1 Rset1.2 Rset2.1 Rset2.2 S1.1 S1.2 S1.3 S1.4 S1.5 S1.6 S1_1.1 S1_1.2 S1_1.3 S1_1.4 S1_1.5 S1_1.6 S2.1 S2.2 S2.3 S2.4 S2_1.1 S2_1.2 S2_1.3 S2_1.4 S3.1 S3.2 S3.3 S3.4 S3.5 S3.6 servo1.1 servo1.2 servo1.3 servo2.1 servo2.2 servo2.3 servo3.1 servo3.2 servo3.3 servo4.1 servo4.2 servo4.3 spy.1 spy.2 spy_1.1 spy_1.2 switch1.1 switch1.2 switch1.3 switch2.1 switch2.2 switch2.3 switch3.1 switch3.2 switch3.3 U1. U1.1 U1.2 U1.3 U2.1 U2.2 U2.3 U2.4 U2.5 U2.6 U2.7 U2.8 U2.9 U2.10 U2.11 U2.12 U2.13 U2.14 U2.15 U2.16 U2.17 U2.18 U2.19 U2.20 U2.21 U2.22 U2.23 U2.24 U2.25 U2.26 U2.27 U2.28 U3.1 U3.2 U3.3 U3.4 U3.5 U3.6 U3.7 U3.8 U3.9 U3.10 U3.11 U3.12 U3.13 U3.14 U3.15 U3.16 U3.17 U3.18 U3.19 U3.20 U3.21 U3.22 U3.23 U3.24 U3.25 U3.26 U3.27 U3.28 U3.29 U3.30 U3.31 U3.32 U3.33 U3.34 U3.35 U3.36 U3.37 U3.38 U3.39 U3.40 U3.41 U3.42 U3.43 U3.44